# KiCad board board.kicad_pcb (continued)
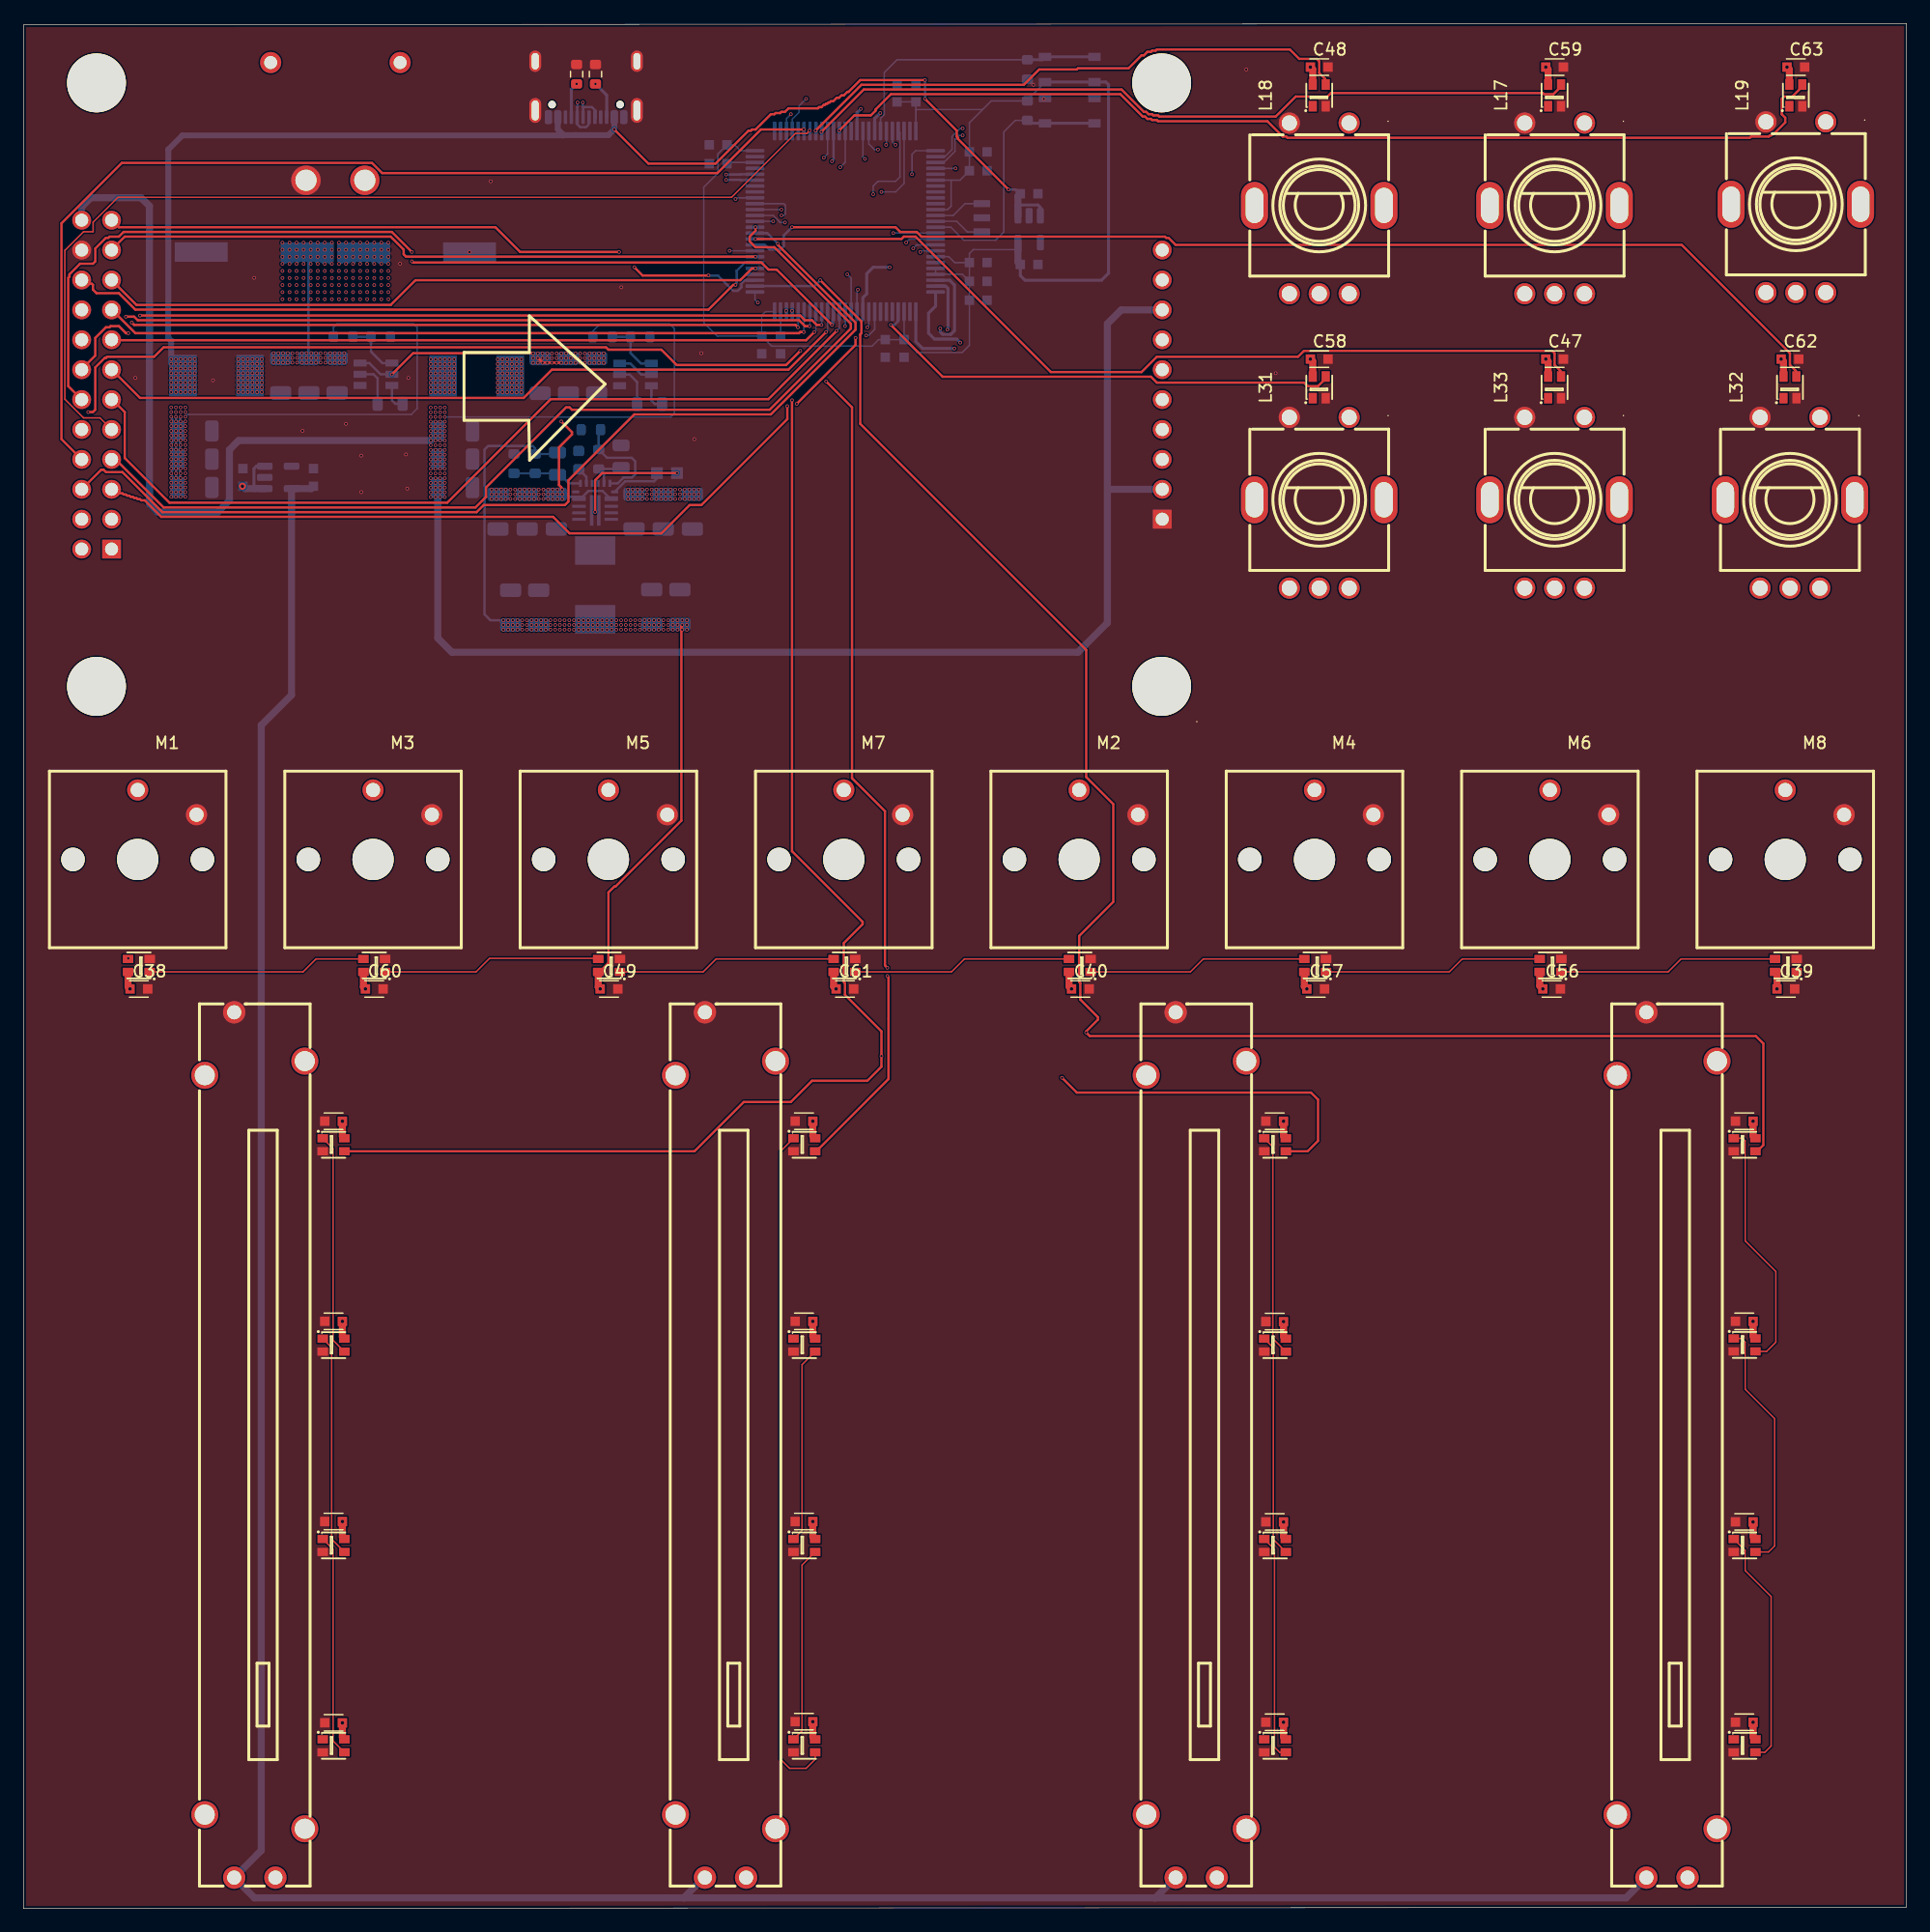
[diagram p0: board, top side]
## Routing (per net, layer and track width the routed paths; a pad name or vN(x,y) marks a point on that pad's centre or on a via; arc(x,y) is an arc through that point) (continued)
LED_ENC2_DATA: length 66.8
  Top w0.2: v1(67.8,150.9) 71.4,154.5 93.3,154.5 95.2,152.6 95.4,152.6 95.6,152.4 95.9,152.4 96,152.3 96.4,152.3 96.5,152.2 106.4,152.2 108.1,153.9 110.8,153.9 111.1,154.2 129.1,154.2 129.2,154.1 130,154.1 130.6,154.7 130.6,154.9 L17.3
  Bottom w0.2: v1(67.8,150.9) 67.8,151 67.82,150.97
LED_ENC3_DATA: length 88.3
  Top w0.2: v1(69.3,151) 70.6,152.3 72,152.3 72.4,152.7 72.4,152.8 73.7,154.1 93.2,154.1 95.1,152.2 95.3,152.2 95.5,152 95.8,152 95.9,151.9 96.3,151.9 96.4,151.8 105.7,151.8 107,150.5 107.3,150.5 107.4,150.4 146.7,150.4 146.8,150.5 148.3,150.5 148.4,150.6 148.5,150.6 148.6,150.7 148.7,150.7 149.7,151.7 149.7,152.1 149.4,152.4 149.4,153.7 149.6,153.9 150.3,153.9 151.2,154.8 151.2,154.9 L19.3
LED_ENC4_DATA: length 96.1
  Top w0.2: v1(65.3,142.8) 74.1,142.8 74.5,142.4 75.9,142.4 76.3,142 97,142 97.1,141.9 97.3,141.9 97.9,141.3 140.9,141.3 150.1,132.1 150.1,131.1 150.6,130.6 150.6,130.1 L32.3
  Bottom w0.2: U3.59 63,141.3 63.4,140.9 64.3,140.9 64.6,141.2 64.6,142.1 v1(65.3,142.8)
LED_ENC5_DATA: length 75.8
  Top w0.2: v1(62.2,141.8) 74.6,141.8 74.8,142 75.8,142 87.3,130.5 95,130.5 96.3,131.8 108.3,131.8 108.8,132.3 129.9,132.3 130.1,132.1 130.1,131.1 130.6,130.6 130.6,130.1 L33.3
LED_ENC6_DATA: length 41.1
  Top w0.2: v1(73.7,134.5) 78.1,130.1 95.8,130.1 96.3,129.6 108.8,129.6 109.1,129.3 110,129.3 110.6,129.9 110.6,130.1 L31.3
  Bottom w0.2: v1(73.7,134.5) 74,134.5 74.3,134.8 74.3,135.6 U3.29
LED_FADER1_DATA: length 117.4
  Top w0.2: L1.3 57.01,64.31 61.2,68.5 65.2,68.5 67,70.3 71.7,70.3 72.9,71.5 v1(72.9,72.4) 72.9,74.5 69.8,77.6 69.8,78.6 69.7,78.7 69.7,82 71.3,83.6 71.3,83.8 65.3,89.8 v1(65.3,128.1)
  In3.Cu w0.2: v1(65.3,135.7) v1(65.3,128.1)
  Bottom w0.2: U3.47 65.3,135.6 v1(65.3,135.7)
LED_FADER2_DATA: length 77.8
  Top w0.2: v1(68.2,129.7) 70.4,127.5 70.4,96 73.2,93.2 73.2,80.1 v1(73.4,79.9) ; v1(73.4,79.2) 73.5,79.1 73.5,70.45 67.37,64.31 67.26,64.31
  In1.Cu w0.2: v1(73.4,79.9) v1(73.4,79.2)
  In4.Cu w0.2: v1(68.2,129.7) 67.2,130.7 67.2,131.8 64.8,134.2 v1(64.8,135.7)
  Bottom w0.2: v1(64.8,135.7) 64.8,135.6 U3.48
LED_FADER3_DATA: length 116.3
  Top w0.2: 107.26,64.31 109.12,64.31 110,65.2 110,68.7 109.4,69.3 89.5,69.3 v1(88.25,70.55) 88.2,70.6
  In3.Cu w0.2: v1(62.4,136.4) 62.5,136.4 62.7,136.6 78.3,136.6 80.35,134.55 80.35,78.45 v1(88.25,70.55)
  Bottom w0.125: U3.51 62.15,136.65 v1(62.4,136.4)
LED_FADER4_DATA: length 149.8
  Top w0.2: v1(67.7,138.3) 71.2,134.8 71.2,133.8 71.1,133.7 71.1,126.1 90.3,106.9 90.3,96.1 92.6,93.8 92.6,85.5 89.7,82.6 89.7,78.7 89.8,78.6 89.8,77.2 91.3,75.7 91.3,75.5 90.3,74.5 v1(90.3,74.4) 90.6,74.1 147.2,74.1 147.84,73.46 147.84,64.84 147.31,64.31 L4.3
  Bottom w0.2: v1(67.7,138.3) 67.2,137.8 U3.52
LED_KEYS_DATA: length 116
  In3.Cu w0.125: v1(60.5,145.2) 60.5,138.38 60.16,138.04 60.16,104.86 57.4,102.1 12.9,102.1 6.9,96.1 6.9,81.6 ; 6.9,81.6 6.95,81.55 ; 6.9,81.6 7.8,80.7 v1(8.9,80.7)
  Bottom w0.125: v1(60.5,145.2) 60.6,145.3 U3.67
SW_1: length 111.2
  In2.Cu w0.125: v1(73.9,142.3) 74.1,142.1 74.1,102.1 72.8,100.8 15.5,100.8 M1.1
  Bottom w0.125: v1(73.9,142.3) U3.15
SW_2: length 61
  In4.Cu w0.125: M2.1 89.6,94.9 80,94.9 75,99.9 v1(75,141.5)
  Bottom w0.125: U3.16 75.3,141.8 v1(75,141.5)
SW_3: length 92
  In2.Cu w0.125: v1(75.6,141) 75.6,100.9 74.65,99.95 57.55,99.95 50.7,93.1 36.04,93.1 34.14,95 M3.1
  Bottom w0.125: v1(75.6,141) 75.9,141.3 U3.17
SW_4: length 77.6
  In2.Cu w0.125: v1(76.2,140.7) 76.2,100 77.2,99 105.7,99 M4.1
  Bottom w0.125: U3.18 76.3,140.8 v1(76.2,140.7)
SW_5: length 81
  In2.Cu w0.125: M5.1 54.9,100.2 72.55,100.2 74.35,102 74.35,142.33 74.04,142.64 73.76,142.64 73.26,142.14 73.26,135.26 v1(71.6,133.6)
  Bottom w0.125: U3.33 72.32,134.12 71.8,133.6 v1(71.6,133.6)
SW_6: length 115.5
  In2.Cu w0.125: M6.1 119.4,105.3 119.4,128.9 114.5,133.8 103.2,133.8 101.4,135.6 101.4,140.9 99.1,143.2 73.7,143.2 72.7,142.2 72.7,137.7 71.6,136.6 65.5,136.6 63.7,138.4 v1(63.7,143.3)
  Bottom w0.125: U3.63 v1(63.7,143.3)
SW_7: length 54.4
  In4.Cu w0.125: v1(64.7,143.2) 67,143.2 68.14,142.06 68.14,134.59 68.56,134.16 68.56,96.14 M7.1
  Bottom w0.125: U3.64 63.7,143.8 64.3,143.2 v1(64.7,143.2)
SW_8: length 163.1
  In2.Cu w0.125: v1(66.5,153.7) 72.5,153.7 74.1,152.1 98.7,152.1 101.1,154.5 157.5,154.5 158.4,153.6 158.4,97.3 156.1,95 M8.1
  Bottom w0.125: v1(66.5,153.7) 65.9,153.1 65.9,152.55 65.32,151.97 65.32,150.97
USB_D+: length 22.3
  In1.Cu w0.2: v1(59.7,147.28) 50.14,147.28 47.53,149.89 47.53,153.4
  Bottom w0.2: v1(59.7,147.28) 60.92,147.28 60.95,147.3 U3.71 ; 47.55,153.01 47.6,153 48.3,153 48.6,152.7 48.6,152.1 J1.B6 ; 47.55,153.01 47.52,153.03 v1(47.52,153.4) ; 47.55,153.01 J1.A6
USB_D-: length 23.7
  In1.Cu w0.2: v1(59.7,146.82) 49.96,146.82 47.07,149.71 47.07,153.4
  Bottom w0.2: U3.70 60.95,146.8 60.92,146.82 v1(59.7,146.82) ; v1(47.07,153.4) 47.07,153.03 47.05,153.01 J1.B7 47,152.1 47,151.6 47.3,151.3 47.8,151.3 48,151.5 48,152.1 J1.A7
Net-(C81-Pad2): length 9.9
  Top w0.2: v1(48.57,118.62) 48.57,121.32 49.18,121.92 v1(55.52,121.92)
Net-(L1-DOUT): length 18.9
  Top w0.125: L5.3 26.3,48.26 26.3,64.54 25.43,65.42
Net-(L2-DOUT): length 57.4
  Top w0.125: 65.43,65.42 64.3,64.29 64.3,12.7 65.1,11.9 66.5,11.9 67.26,12.66 67.26,13.26
Net-(L3-DOUT): length 18.9
  Top w0.125: 105.43,65.42 106.15,64.69 106.15,48.41 107.26,47.3
Net-(L4-DOUT): length 21.3
  Top w0.125: 145.32,65.42 146.08,65.42 146.3,65.2 146.3,56.7 148.9,54.1 148.9,48.1 148.12,47.31 L8.3
Net-(L5-DOUT): length 18.9
  Top w0.125: L9.3 26.18,31.36 26.18,47.64 L5.1
Net-(L10-DIN): length 16.7
  Top w0.125: 67.26,30.28 66.15,29.17 66.15,15.09 L6.1
Net-(L10-DOUT): length 16.7
  Top w0.125: L10.1 66.15,32.11 66.15,46.19 67.26,47.3
Net-(L11-DIN): length 18.9
  Top w0.125: 107.26,30.28 106.2,31.35 106.2,47.62 L7.1
Net-(L11-DOUT): length 19.2
  Top w0.125: L11.1 106.3,30.51 106.3,13.7 106.74,13.26 107.26,13.26
Net-(L12-DIN): length 21.3
  Top w0.125: L8.1 145.99,48.41 146.3,48.1 146.3,44.1 148.8,41.6 148.8,30.8 148.28,30.28 L12.3
Net-(L12-DOUT): length 20.5
  Top w0.125: L12.1 146.3,30.41 146.3,28.7 148.5,26.5 148.5,13.8 147.96,13.26 L16.3
Net-(L13-DIN): length 18.9
  Top w0.125: L9.1 26.3,30.51 26.3,14.23 L13.3
Net-(L20-DOUT): length 18.6
  Top w0.125: L20.1 23.75,79.55 24.85,80.65 L24.3
Net-(L24-DOUT): length 18.6
  Top w0.125: L24.1 38.45,79.55 39.6,80.7 48.79,80.7 L28.3
Net-(L28-DOUT): length 18.6
  Top w0.125: L28.1 57.75,79.55 58.85,80.65 L29.3
Net-(L29-DOUT): length 18.6
  Top w0.125: L30.3 79.95,80.65 78.85,79.55 L29.1
Net-(L30-DOUT): length 18.6
  Top w0.125: L30.1 99.15,79.55 100.25,80.65 L34.3
Net-(L34-DOUT): length 18.6
  Top w0.125: L38.3 122.25,80.65 121.15,79.55 L34.1
Net-(L38-DOUT): length 18.6
  Top w0.125: L42.3 140.85,80.65 139.75,79.55 L38.1
Net-(U3-NRST): length 23.3
  Bottom w0.125: R3.1 84.27,151.88 83.3,150.9 83.3,142.4 82.6,141.7 79.9,141.7 78.8,142.8 U3.14
  Bottom w0.254: R3.1 85.55,151.63 SW1.4 SW1.3
Net-(U3-PH0): length 4.3
  Bottom w0.125: U3.12 79,143.8 80,144.8 X1.1
Net-(U3-PH1): length 4.3
  Bottom w0.125: X1.3 80.2,142.4 79.3,143.3 U3.13
Net-(U3-VCAP_1): length 2.1
  Bottom w0.125: C9.2 U3.49
Net-(U3-VCAP_2): length 2.4
  Bottom w0.125: U3.73 59.88,148.3 C10.2
Net-(U5-SW): length 3.6
  Bottom w0.2: C78.2 52.14,129.65 51.5,130.28 U5.2
  vias: v1(40.3,131.59) v1(40.3,131.19) v1(40.3,130.78) v1(40.3,130.38) v1(40.3,129.99) v1(40.3,129.59) v1(40.3,129.19) v1(40.3,128.78) v1(40.7,131.59) v1(40.7,131.19) v1(40.7,130.78) v1(40.7,130.38) v1(40.7,129.99) v1(40.7,129.59) v1(40.7,129.19) v1(40.7,128.78) v1(41.1,131.59) v1(41.1,131.19) v1(41.1,130.78) v1(41.1,130.38) v1(41.1,129.99) v1(41.1,129.59) v1(41.1,129.19) v1(41.1,128.78) v1(41.5,131.59) v1(41.5,131.19) v1(41.5,130.78) v1(41.5,130.38) v1(41.5,129.99) v1(41.5,129.59) v1(41.5,129.19) v1(41.5,128.78) v1(41.9,131.59) v1(41.9,131.19) v1(41.9,130.78) v1(41.9,130.38) v1(41.9,129.99) v1(41.9,129.59) v1(41.9,129.19) v1(41.9,128.78) v1(42.3,131.59) v1(42.3,131.19) v1(42.3,130.78) v1(42.3,130.38) v1(42.3,129.99) v1(42.3,129.59) v1(42.3,129.19) v1(42.3,128.78)
Net-(U5-VBST): length 2.3
  Bottom w0.2: 53.35,129.34 53.35,128.09 53.65,127.78 C78.1
Net-(U5-VFB): length 5.1
  Bottom w0.2: R9.1 R10.2 51.57,132.11 52.45,131.24 U5.4
Net-(U6-SW): length 3.8
  Bottom w0.2: C79.2 30.09,129.96 29.74,130.31 U6.2
  vias: v1(18.25,131.6) v1(18.25,131.2) v1(18.25,130.8) v1(18.25,130.4) v1(18.25,130) v1(18.25,129.6) v1(18.25,129.2) v1(18.25,128.8) v1(18.65,131.6) v1(18.65,131.2) v1(18.65,130.8) v1(18.65,130.4) v1(18.65,130) v1(18.65,129.6) v1(18.65,129.2) v1(18.65,128.8) v1(19.05,131.6) v1(19.05,131.2) v1(19.05,130.8) v1(19.05,130.4) v1(19.05,130) v1(19.05,129.6) v1(19.05,129.2) v1(19.05,128.8) v1(19.45,131.6) v1(19.45,131.2) v1(19.45,130.8) v1(19.45,130.4) v1(19.45,130) v1(19.45,129.6) v1(19.45,129.2) v1(19.45,128.8) v1(19.85,131.6) v1(19.85,131.2) v1(19.85,130.8) v1(19.85,130.4) v1(19.85,130) v1(19.85,129.6) v1(19.85,129.2) v1(19.85,128.8) v1(20.25,131.6) v1(20.25,131.2) v1(20.25,130.8) v1(20.25,130.4) v1(20.25,130) v1(20.25,129.6) v1(20.25,129.2) v1(20.25,128.8)
Net-(U6-VBST): length 2.3
  Bottom w0.2: U6.6 31.3,128.1 31.6,127.8 C79.1
Net-(U6-VFB): length 5
  Bottom w0.2: U6.4 30.49,131.26 29.53,132.22 R12.2 R11.1
Net-(U7-BOOT): length 4.5
  Bottom w0.2: 50.23,120.32 51.12,121.22 53.57,121.22 53.82,121.47 C81.1
Net-(U7-FB): length 6
  Bottom w0.2: R7.2 R8.2 45.25,121.89 C85.1 45.62,121.77 46.35,121.05 U7.13
Net-(U7-MODE): length 8.8
  Bottom w0.2: R5.1 48.88,125.45 R6.2 49.57,123.22 51.68,123.22 51.98,122.92 51.98,121.82 51.7,121.54 50.99,121.54 50.5,121.05 U7.18
Net-(U7-SS): length 1.5
  Bottom w0.2: U7.14 47.82,121.59 C71.2
Net-(U7-VREG5): length 3.3
  Bottom w0.2: C77.2 50.68,122.27 R6.1 49.32,121.82 U7.17

## Copper pours and planes (outline as drawn; the poured copper is in the pictures)
+3.3V_DISPLAY on Bottom, In1.Cu: 34.4,119.5 36.1,119.5 36.1,128.2 37,128.2 37,132.1 34.3,132.1
+5V_LED on Bottom, In1.Cu, In4.Cu: 46.7,110.9 50.5,110.9 50.5,109.9 56.9,109.9 56.9,108.2 40.3,108.2 40.3,109.9 46.7,109.9
+5V_LED on In4.Cu: 59.5,109.9 59.5,77.8 56.8,77.8 56.8,109.9
+5V_LED on In4.Cu: 43,108.3 43,77.8 40.3,77.8 40.3,108.3
+5V_SYS on Bottom, In1.Cu: 12.3,119.6 14,119.6 14,128.3 14.9,128.3 14.9,132.2 12.2,132.2
+12V on Bottom, In1.Cu: 51.3,130.9 42.9,130.9 42.9,132.4 49.9,132.4 49.9,131.7 51.3,131.7
+12V on Bottom, In1.Cu: 20.8,132.4 20.8,130.9 29.3,130.9 29.3,131.7 27.7,131.7 27.7,132.4
+12V on Bottom, In1.Cu: 49.3,119.4 49.3,120 50.6,120 51.1,120.8 57.9,120.8 57.9,119.4
+12V on Bottom, In1.Cu: 30.4,148.39 27.4,148.39 27.4,141.99 21.4,141.99 21.4,136.09 31.4,136.09 31.4,141.99 30.4,141.99
+12V on Bottom, In1.Cu: 47.9,119.4 47.9,120 46.6,120 46.1,120.8 39.3,120.8 39.3,119.4
+12V on In1.Cu: 44.4,120.8 44.4,119.4 52.8,119.4 52.8,120.8
+12V on In1.Cu: 42.9,132.4 42.9,136.09 31.4,136.09 31.4,139 46,139 46,132.4
+12V on In1.Cu: 21.4,136.09 21.4,132.4 25.4,132.4 25.4,136.09
GND on Top, Bottom, In1.Cu, In2.Cu: -2.3,163.8 -2.5,-0.7 161.4,-0.5 162,162.2
Net-(C81-Pad2) on Bottom: 48,120.2 49.2,120.2 49.2,116.7 50.5,116.7 50.5,113.9 46.7,113.9 46.7,116.7 48,116.7
Net-(U5-SW) on Bottom, In1.Cu: 40,132.1 40,128.2 42.7,128.2 42.7,129.5 49.6,129.5 49.9,129.8 51.4,129.8 51.4,130.8 42.8,130.8 42.8,132.1
Net-(U6-SW) on Bottom, In1.Cu: 29.3,130.8 29.3,129.8 27.7,129.8 27.4,129.5 20.6,129.5 20.6,128.2 17.9,128.2 17.9,132.2 20.6,132.2 20.6,130.8
